# Altium PCB STM32MP25XXAK_2_DDR3L.PcbDoc (part 4 of 6)
Units mm, origin at the board's own origin, x right, y up, seen from the top; angles counter-clockwise.
Board outline 120 x 79.6 mm, 4 copper layers (Top Layer, Signal Layer 1, Signal Layer 2, Bottom Layer), stack 1.614 mm thick; 247 components, 155 nets, 1312 pads, 792 vias.
Unrouted connection lines stored in the file: 6.
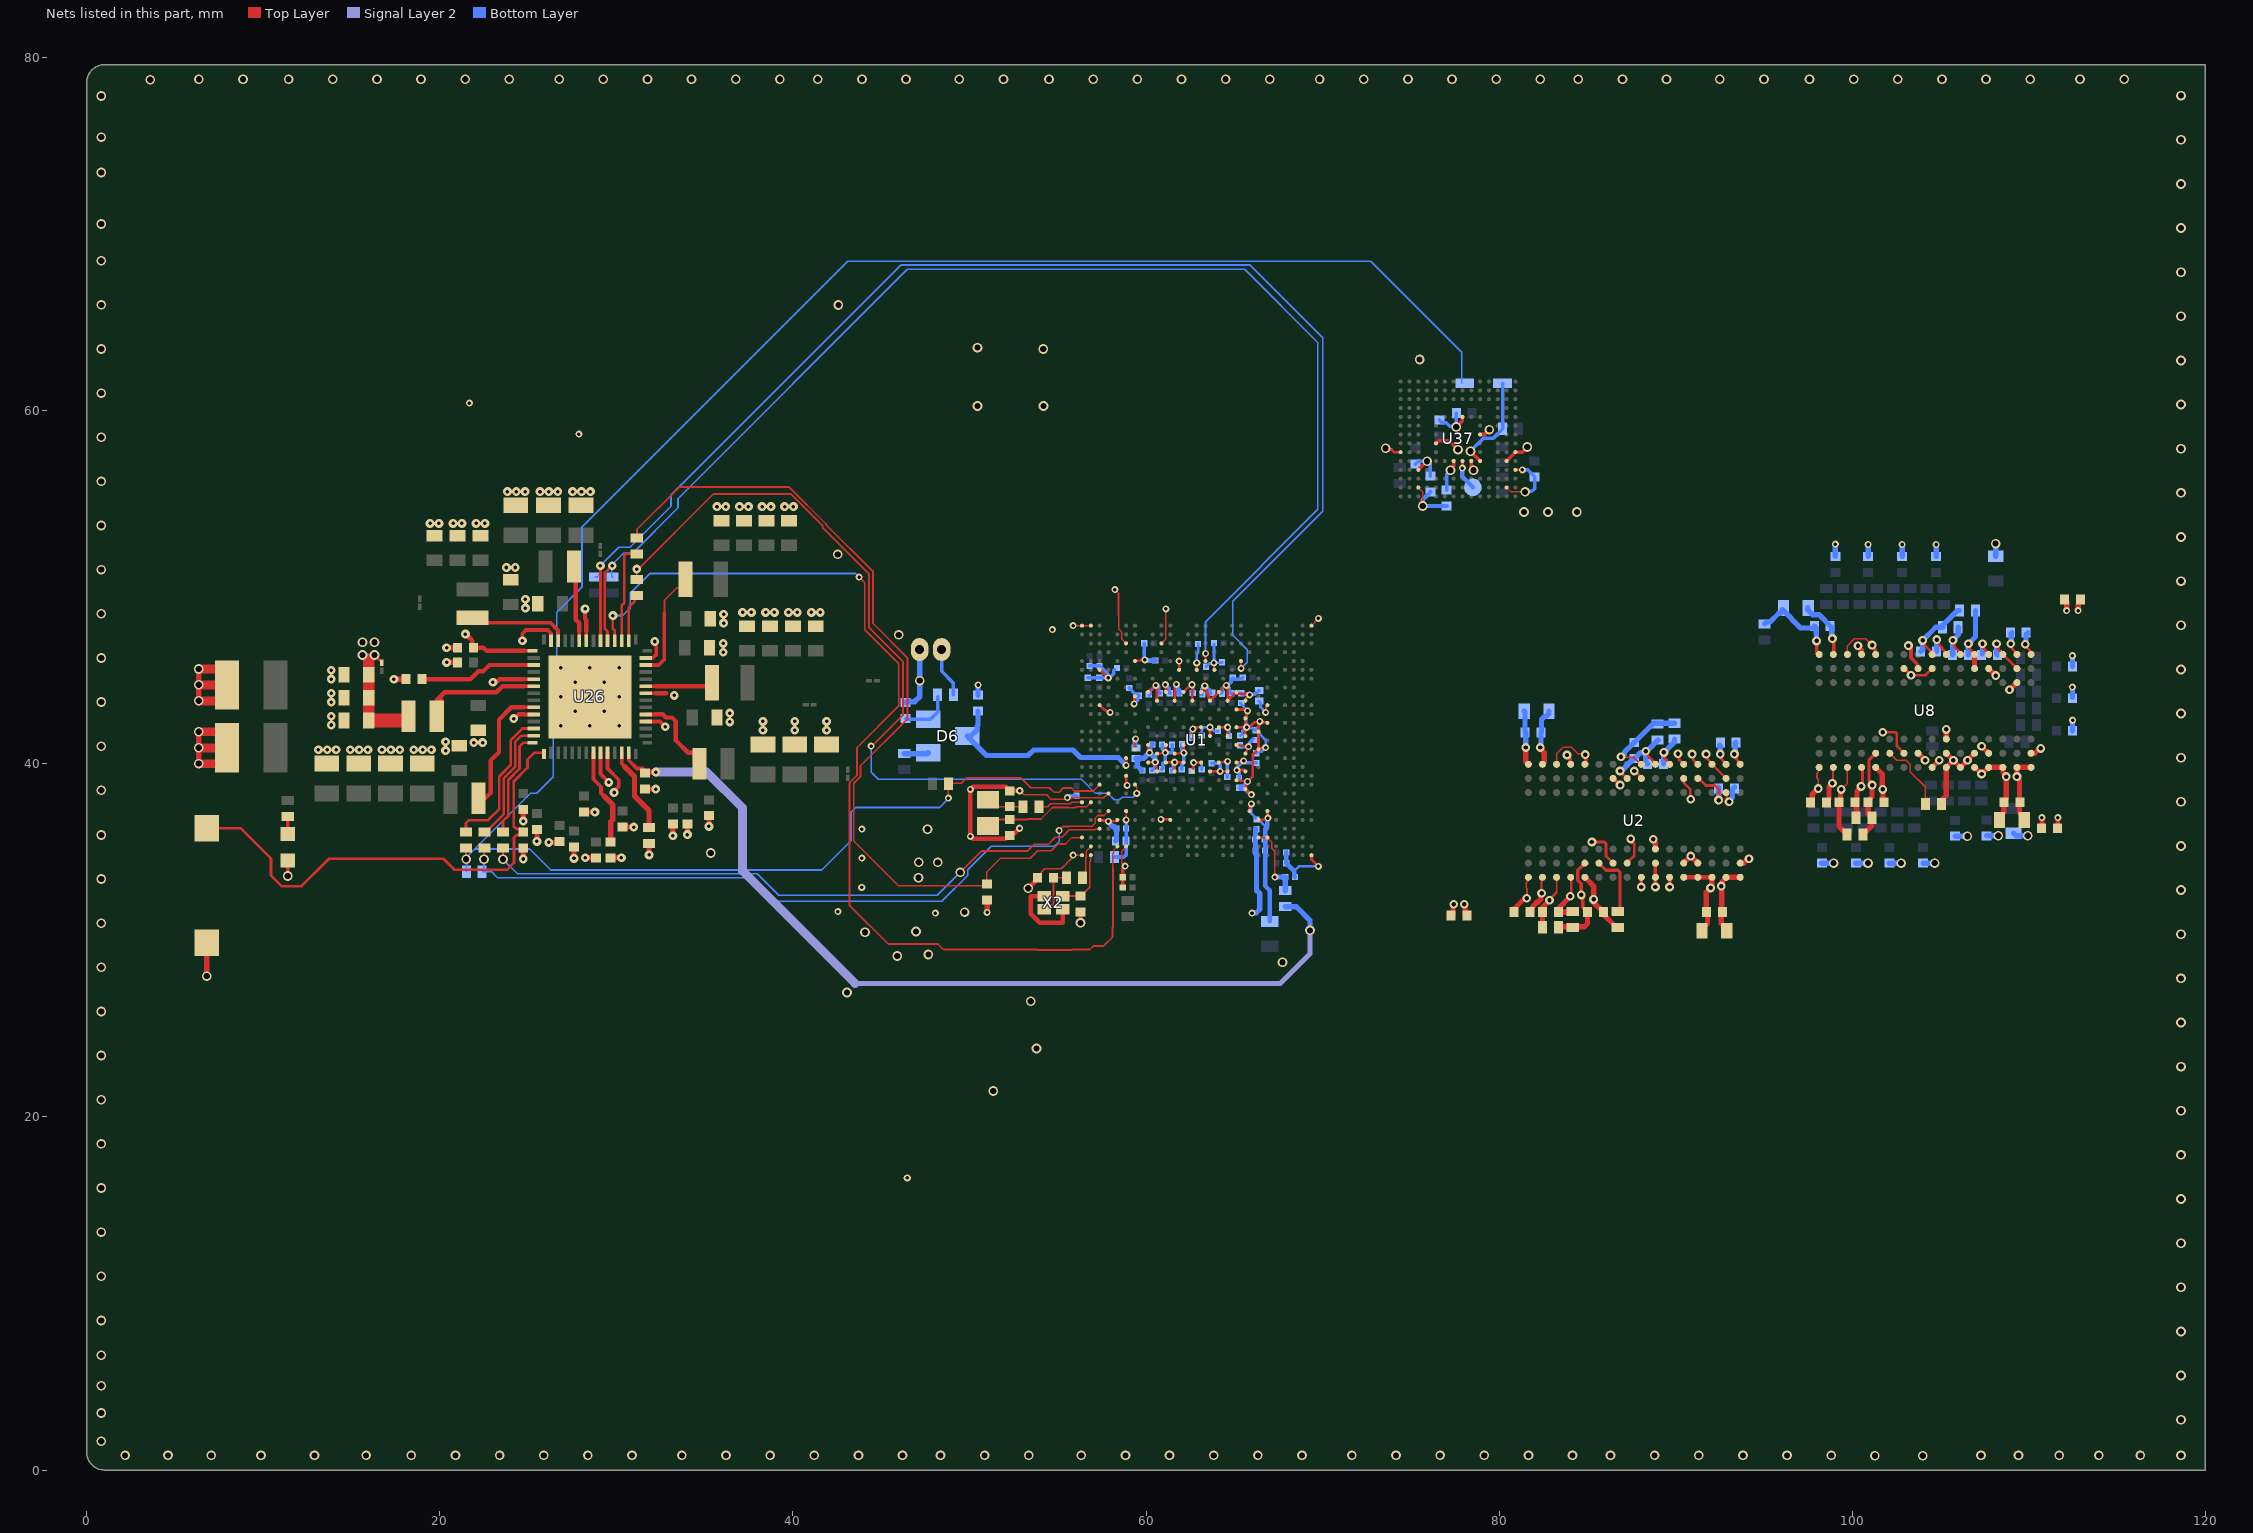
[diagram p6: the nets of this part, all layers, seen from the top]

## Via types
v1: diameter 0.55, hole 0.35, Top Layer to Bottom Layer, 275 vias
v2: diameter 0.4, hole 0.2, Top Layer to Bottom Layer, tented both sides, 246 vias
v3: diameter 0.5, hole 0.2, Top Layer to Bottom Layer, 146 vias
v4: diameter 0.5, hole 0.25, Top Layer to Bottom Layer, 125 vias

## Nets (pads, with @x,y where several pads share a name; then routed paths per layer and width w, separated by ;. In a path a pad name is that pad's centre, name@x,y a point inside that pad or via, vN(x,y) a via of type N, cw(c..) or ccw(c..) an arc to the next point about the centre after c; other vN are vias at no path point) (continued)
GND: B2.1 C9.1 C22.1 C23.1 C24.1 C26.1 C27.1 C28.1 C29.1 C30.1 C32.1 C33.1 C34.1 C35.1 C36.1 C37.1 C38.1 C39.1 C40.1 C41.1 C42.2 C43.1 C44.2 C45.1 C46.1 C47.2 C48.1 C49.1 C50.1 C51.1 C52.1 C53.1 C54.1 C55.1 C56.1 C57.1 C58.1 C59.1 C60.1 C61.1 C62.2 C63.1 C64.1 C65.2 C66.1 C67.1 C68.1 C69.1 C70.2 C71.1 C72.1 C73.2 C74.1 C75.1 C76.1 C77.2 C81.2 C82.1 C83.1 C86.2 C87.1 C88.1 C90.1 C91.2 C92.2 C100.1 C101.1 C102.1 C103.1 C104.1 C105.1 C106.1 C107.1 C108.1 C109.1 C110.1 C111.1 C112.1 C113.1 C114.1 C115.1 C116.1 C117.1 C118.1 C119.1 C120.1 C121.1 C122.1 C123.1 C124.1 C125.1 C126.1 C127.1 C128.1 C129.1 C130.1 C131.1 C132.1 C133.1 C134.1 C135.1 C136.1 C137.1 C138.1 C139.1 C140.1 C146.1 C147.2 C148.1 C151.1 C167.1 C177.1 C183.1 C184.1 C185.1 C186.1 C187.1 C188.1 C189.1 C190.2 C192.1 C193.1 C194.1 C195.1 C196.1 C197.1 C198.1 C199.1 C200.1 C201.1 C202.1 C203.1 C204.1 C205.1 C206.1 C207.1 C208.2 C209.1 C213.1 C214.2 C215.2 C216.1 C217.2 C219.1 C220.1 C225.1 C234.1 C235.1 C236.1 C237.1 C238.1 C239.1 C240.1 C244.1 C246.1 C248.1 C250.1 C251.1 C252.1 C253.1 C260.1 CN12.2 LD11.2 R1.1 R57.1 R142.1 R144.1 R145.1 R147.1 R149.1 R150.1 R156.1 U1.1A1 U1.1A3 U1.1A5 U1.1A7 U1.1A9 U1.1A11 U1.1B2 U1.1B4 U1.1B6 U1.1B8 U1.1B10 U1.1B12 U1.1E7 U1.1E9 U1.1F6 U1.1F8 U1.1F10 U1.1G1 U1.1G3 U1.1G5 U1.1G11 U1.1H2 U1.1H4 U1.1H12 U1.1J1 U1.1J3 U1.1J5 U1.1J7 U1.1J9 U1.1J11 U1.1K2 U1.1K4 U1.1K6 U1.1K8 U1.1K10 U1.1K12 U1.A1 U1.A2 U1.A27 U1.AC3 U1.AC5 U1.AC11 U1.AF6 U1.AG1 U1.AG27 U1.C6 U1.C10 U1.E7 U1.F3 U1.F12 U1.F14 U1.F16 U1.J7 U1.K3 U1.V6 U1.Y4 U2.A9 U2.B1 U2.B3 U2.B9 U2.D1 U2.D8 U2.E1 U2.E2 U2.E8 U2.F9 U2.G1 U2.G8 U2.G9 U2.J2 U2.J8 U2.M1 U2.M9 U2.P1 U2.P9 U2.T1 U2.T9 U8.A9 U8.B1 U8.B3 U8.B9 U8.D1 U8.D8 U8.E1 U8.E2 U8.E8 U8.F9 U8.G1 U8.G8 U8.G9 U8.J2 U8.J8 U8.M1 U8.M9 U8.P1 U8.P9 U8.T1 U8.T9 U26.9 U26.10 U26.18 U26.22 U26.27 U26.36 U26.41 U26.47 U26.52 U26.57 U37.A6 U37.C4 U37.E7 U37.G5 U37.H10 U37.J5 U37.K8 U37.N2 U37.N5 U37.P4 U37.P6 X2.2 X2.4 | length 255.9
  Top Layer w0.09: v2(55.55,38.085) 55.565,38.07 56.266,38.07 56.271,38.075 57.612,38.075 57.862,38.325 U1.Y4@57.875,38.325 ; U1.A1@56.375,47.825 U1.A2@56.875,47.825 ; 58.445,48.418 58.445,47.647 58.625,47.467 58.625,47.075 U1.C6@58.875,46.825 ; v2(58.816,34.213) 58.625,34.404 58.625,35.05 58.875,35.3 U1.AF6@58.875,35.325 ; U1.C10@60.875,46.825 61.125,47.075 v2(61.125,48.775) ; U37.N2@80.425,55.655 80.675,55.405 v1(81.475,55.405) ; 83.25,32.77 82.858,32.377 v4(82.858,32.275) 83.257,32.675 U2.P9@83.257,33.575 ; U2.P1@83.257,39.975 83.257,40.574 83.633,40.95 84.095,40.95 84.472,40.572 84.835,40.572 v4(84.883,40.525) ; U2.B9@92.857,33.575 U2.B9@92.861,33.575 ; v4@99.435,38.602 99.732,38.899 U8.P9@99.732,39.8 ; U8.P1@99.732,46.2 99.732,46.692 100.124,47.084 100.769,47.084 v4(101.13,46.724) ; R150.1@105.032,37.75 R150.1@105.242,37.96 ; U8.B9@109.333,39.802 U8.B9@109.332,39.8
  Top Layer w0.1: v2(52.85,38.475) 52.882,38.475 53.114,38.244 54.372,38.244 54.622,37.994 55.458,37.994 v2(55.55,38.085) ; v1@53.243,33.041 v1(53.329,32.955) ; C92.2@53.859,33.546 53.859,33.648 54.264,34.053 55.189,34.053 55.279,34.144 55.291,34.144 55.496,34.349 55.496,34.361 55.77,34.635 55.77,34.639 55.875,34.744 v2(55.875,34.825) U1.AG1@56.375,34.825 ; v2(55.875,47.825) U1.A1@56.375,47.825 ; v2(58.24,49.865) 58.445,49.66 58.445,48.418 ; U1.A27@69.375,47.825 69.762,48.213 v2(69.762,48.238) ; v4(81.566,32.386) 81.529,32.422 81.582,32.474 81.582,32.909 81.54,32.95 81.54,33.248 81.609,33.317 81.609,33.527 U2.T9@81.657,33.575 ; C111.1@97.658,37.902 C111.1@97.731,37.975 ; v4(98.082,38.6) 98.082,39.109 98.011,39.18 98.011,39.469 98.082,39.54 98.082,39.75 U8.T9@98.132,39.8
  Top Layer w0.15: U1.AC3@57.375,36.825 57.41,36.79 57.795,36.79 57.845,36.74 v2(57.872,36.74) 58.29,36.74 U1.AC5@58.375,36.825 ; U1.K3@57.375,43.325 57.643,43.057 v2(57.966,42.92) ; U1.F3@57.375,45.325 v2(57.862,44.875) ; U1.V6@58.875,39.325 58.875,38.893 58.925,38.843 v2(58.925,38.775) ; v2@59.325,43.275 59.35,43.3 59.35,43.613 ; v2(59.325,43.4) 59.35,43.613 ; U1.E7@59.375,45.825 v2(59.931,45.892) ; U1.J7@59.388,43.812 U1.J7@59.375,43.825 ; U1.1J1@60.125,40.075 v2(60.525,40.1) U1.1K2@60.625,39.575 ; U1.1G1@60.125,41.075 60.125,40.778 60.198,40.705 v2(60.198,40.638) ; U1.1A1@60.125,44.075 60.442,44.392 60.481,44.392 60.531,44.442 v2@60.555,44.442 ; v2(60.558,44.442) v2@60.555,44.442 ; U1.1H2@60.625,40.575 v2(61.092,40.638) U1.1G3@61.125,41.075 ; U1.1B2@60.625,43.575 60.625,44.371 v2@60.555,44.442 ; v2(60.841,36.854) 61.289,36.854 61.303,36.84 61.36,36.84 U1.AC11@61.375,36.825 ; U1.1J3@61.125,40.075 v2(61.625,40.089) ; U1.1A3@61.125,44.075 61.132,44.082 v2@61.132,44.466 ; U1.1K4@61.625,39.575 v2(61.625,40.089) ; U1.1H4@61.625,40.575 v2(62.15,40.625) U1.1G5@62.125,41.075 ; U1.1B4@61.625,43.575 61.625,44.405 v2(61.725,44.505) ; U1.F12@61.875,45.325 v2(61.875,45.825) ; U1.1J5@62.125,40.075 v2(61.625,40.089) ; U1.1A5@62.125,44.075 62.496,44.446 62.571,44.446 62.625,44.5 U1.1B6@62.625,43.575 ; U1.1K6@62.625,39.575 v2(62.7,40.075) U1.1J7@63.125,40.075 ; U1.1F6@62.625,41.575 62.625,41.95 v2(62.65,41.975) ; v2@62.657,41.975 62.718,41.975 62.818,42.075 U1.1E7@63.125,42.075 ; U1.F14@62.875,45.325 v2(62.875,45.725) ; U1.1A7@63.125,44.075 v2(63.328,44.412) U1.1B8@63.625,43.575 U1.1A9@64.125,44.075 64.448,44.398 64.538,44.398 64.586,44.446 64.625,44.407 U1.1B10@64.625,43.575 U1.1A11@65.125,44.075 65.147,44.075 65.25,43.972 65.818,43.972 65.865,43.925 65.865,43.894 65.64,43.669 65.64,43.59 U1.1B12@65.625,43.575 ; U1.1K8@63.625,39.575 v2(64.198,39.575) U1.1K10@64.625,39.575 ; U1.1F8@63.625,41.575 v2(63.625,42.075) ; v2@63.853,45.725 U1.F16@63.875,45.325 ; U1.1E9@64.125,42.075 v2(64.625,42.075) U1.1F10@64.625,41.575 ; U1.1G11@65.125,41.075 v2(65.806,40.972) U1.1H12@65.625,40.575 ; U1.AG27@69.375,34.825 69.375,34.59 v2(69.768,34.197) ; v1(73.575,57.875) 73.646,57.804 73.911,57.804 74.056,57.66 74.42,57.66 U37.A6@74.425,57.655 ; v4@77.982,32 78.002,31.98 78.002,31.58 78.077,31.505 C146.1@78.183,31.4 ; U37.P4@80.925,56.655 v2(81.325,56.655) ; v4@86.857,39.625 v4(86.857,39.595) 86.857,39.577 U2.J2@87.258,39.177 ; U2.J8@87.258,34.377 87.653,34.772 87.653,35.46 87.457,35.655 v4(87.457,35.75) ; v4(88.307,40.715) 88.374,40.648 88.374,40.553 88.387,40.54 88.387,40.506 88.757,40.136 88.757,40.129 88.858,40.028 U2.G1@88.858,39.977 ; v4@90.132,40.55 90.194,40.488 90.194,40.24 U2.E1@90.458,39.977 ; U2.E2@90.458,39.177 90.469,39.165 90.469,38.923 90.833,38.559 90.833,38.049 v4@90.857,38.025 ; v4(90.932,40.55) 90.994,40.488 90.994,40.24 U2.D1@91.258,39.977 ; v4(92.532,40.55) 92.599,40.483 92.599,40.273 92.673,40.199 92.673,40.188 92.857,40.003 U2.B1@92.857,39.975 ; U2.B3@92.858,38.377 92.895,38.339 92.895,38.011 v4@93.032,37.875 ; v4(104.792,47.037) 104.964,46.714 105.089,46.58 105.089,46.511 105.133,46.467 105.308,46.292 U8.G1@105.308,46.202 ; v4@106.582,46.775 106.649,46.708 106.649,46.546 106.932,46.263 U8.E1@106.932,46.2 ; v4@107.382,46.775 107.449,46.708 107.449,46.549 107.732,46.266 U8.D1@107.732,46.2 ; v4@108.982,46.775 109.049,46.708 109.049,46.546 109.332,46.263 U8.B1@109.332,46.2 ; 59.35,43.613 59.35,43.825 U1.J7@59.375,43.825 ; 59.35,43.613 U1.J7@59.375,43.825
  Top Layer w0.16: U1.1J9@64.125,40.075 v2(64.625,40.143) ; U1.1J11@65.125,40.075 65.435,40.075 v2(65.53,40.17) ; v2(65.15,39.65) 65.55,39.65 U1.1K12@65.625,39.575
  Top Layer w0.2: v1@11.386,33.645 LD11.2@11.386,34.522 ; U26.27@31.67,46 32.079,46 32.27,46.191 32.27,46.91 v3@32.316,46.956 ; v3(32.17,46.93) v3@32.227,46.873 ; C248.1@58.683,33.002 C250.1@58.683,33.572 58.683,34.08 v2(58.816,34.213) ; U37.C4@75.425,56.655 75.875,57.105 75.885,57.105 v1(75.925,57.145) ; U37.E7@76.425,58.155 76.575,58.305 77.17,58.305 v1(77.675,57.8) ; v1(77.25,56.63) 77.25,56.718 77.425,56.893 U37.G5@77.425,57.155 ; v1(77.575,59.08) 77.925,59.43 U37.H10@77.925,59.655 ; U37.J5@78.425,57.155 78.425,56.85 78.55,56.725 v1(78.55,56.63) ; U37.K8@78.925,58.655 79.175,58.655 v1(79.45,58.93) ; U37.N5@80.425,57.155 U37.P6@80.925,57.655 81.305,57.655 v1(81.6,57.95) ; U2.M1@84.858,39.977 84.896,40.015 84.896,40.322 84.958,40.384 84.958,40.449 v4@84.883,40.524 ; v4@88.857,33.05 U2.G9@88.857,33.574 ; U2.G9@88.857,33.575 U2.G8@88.858,34.389 ; v4@89.658,33.102 U2.F9@89.658,33.577 ; v4(97.982,46.962) 97.982,46.35 U8.T1@98.132,46.2 ; U8.T1@98.12,46.262 U8.T1@98.134,46.203 ; v4(101.13,46.724) 101.13,46.642 101.303,46.469 101.303,46.231 U8.M1@101.333,46.202 ; v4(103.182,46.7) 103.332,46.55 103.332,46.006 103.693,45.645 103.693,45.438 U8.J2@103.732,45.4
  Top Layer w0.21: v3(24.675,46.975) 24.675,47.375 24.88,47.58 26.109,47.58 26.3,47.389 U26.41@26.3,46.97 ; 24.775,42.8 U26.52@25.33,42.8 ; 24.775,44.8 U26.47@25.33,44.8 ; U26.36@28.3,46.97 28.3,47.525 ; U26.9@29.1,40.63 29.1,39.42 v3(29.568,38.952) ; U26.10@29.5,40.63 29.5,39.734 30.135,39.099 30.135,38.72 29.87,38.456 v3(29.87,38.377) ; U26.18@31.67,42.4 32.472,42.4 v3(32.772,42.1) ; U26.22@31.67,44 32.225,44
  Top Layer w0.25: v3(23.008,44.625) 23.056,44.673 23.257,44.673 23.384,44.8 24.775,44.8 ; v3(24.187,42.563) 24.221,42.563 24.459,42.8 24.775,42.8 ; v3(28.225,48.775) 28.225,48.214 28.3,48.139 28.3,47.525 ; 32.225,44 32.83,44 ; v3@32.757,42.1 v3(32.772,42.1) ; v2(52.841,36.352) 52.569,36.08 52.415,36.08 C86.2@52.285,35.95 52.26,35.95 52.061,35.75 50.196,35.75 v2(50.05,35.897) v2(50.05,38.554) 50.196,38.7 52.06,38.7 C81.2@52.285,38.475 v2(52.85,38.475) ; v1(53.329,32.955) 53.729,33.355 53.729,33.416 C92.2@53.859,33.546 ; X2.2@54.234,32.51 53.467,32.51 53.467,31.513 53.987,30.993 55.284,30.993 X2.4@55.284,31.76 ; v1(56.293,30.993) C90.1@56.293,31.61 ; C167.1@111.633,36.35 111.65,36.368 v2(111.65,36.957)
  Top Layer w0.275: U8.J8@103.732,40.6 v4@104.107,40.225 ; U8.G9@105.333,39.802 v4(105.732,40.2) ; U8.G8@105.333,40.602 U8.G8@105.332,40.6 v4(105.732,40.2) v4(105.732,40.2) U8.F9@106.133,39.802 ; U8.F9@106.133,39.815 106.14,39.815 106.538,40.214 106.538,40.221 U8.E8@106.919,40.602 ; v4@107.307,41 107.319,41 107.73,40.589 U8.D8@107.733,40.589
  Top Layer w0.3: v1@6.347,40.012 v1@6.347,41.812 ; v1@6.347,43.574 v1@6.347,45.374 ; B2.1@6.795,29.854 6.795,27.98 v1(6.8,27.975) ; v3(17.395,44.79) C43.1@18.055,44.79 ; v3(20.385,45.75) C40.1@20.995,45.75 ; v3(20.385,46.575) C39.1@20.995,46.575 ; v3@24.725,36.81 C217.2@24.725,37.42 ; v3@24.727,34.58 C219.1@24.727,35.185 ; v3(25.5,35.61) C216.1@25.5,36.215 ; v3(26.165,35.55) C215.2@26.775,35.55 ; v3@27.6,34.69 C214.2@27.6,35.3 ; C213.1@28.175,37.27 v3(28.785,37.27) ; v3(28.24,34.68) C91.2@28.85,34.68 ; C208.2@29.675,34.68 v3(30.285,34.68) ; C209.1@30.35,36.42 v3(30.985,36.42) ; C61.1@31.625,38.57 v3(32.235,38.57) ; v3(31.85,34.84) R57.1@31.85,35.5 ; v3(33.2,35.93) C189.1@33.2,36.59 ; v3(34.025,35.99) C188.1@34.025,36.59 C188.1@34.025,36.65 ; v3(35.245,36.46) 35.248,36.462 35.248,37.062 C190.2@35.25,37.065 ; v2@50.979,31.565 v2(51,31.586) C33.1@51,32.3 ; v4(78.032,32.048) 78.032,31.994 78.077,31.948 C146.1@78.077,31.505 ; C103.1@80.858,31.6 80.858,31.79 81.453,32.386 v4(81.566,32.386) ; v4(81.507,40.925) 81.507,40.138 81.657,39.988 U2.T1@81.657,39.975 ; R144.1@82.458,30.75 C104.1@82.458,31.6 82.458,31.877 v4(82.858,32.275) v4(82.858,32.275) ; U2.M9@84.858,33.577 U2.M9@84.857,33.575 85.357,33.075 v4(85.357,32.325) ; v4@85.345,32.313 v4(85.357,32.325) ; R145.1@86.73,30.725 86.684,30.771 86.611,30.771 85.907,31.475 C137.1@85.907,31.6 85.357,32.15 v4(85.357,32.325) ; U2.E8@90.457,34.375 v4(90.857,34.775) U2.D8@91.257,34.375 ; C101.1@92.907,30.55 92.907,30.675 92.737,30.845 92.692,30.845 92.582,30.955 92.582,31.675 92.613,31.706 92.613,33.043 92.595,33.062 92.633,33.101 92.633,33.323 92.861,33.552 92.861,33.575 U2.A9@93.657,33.575 ; C111.1@97.731,37.975 97.731,38.273 v4@98.058,38.6 ; C114.1@99.258,37.825 99.258,36.45 R149.1@99.708,36 ; C114.1@99.269,37.913 99.339,37.983 v4@99.339,38.633 ; U8.M9@101.332,39.8 101.333,39.785 101.707,39.411 101.707,38.55 101.744,38.512 C120.1@101.744,38.014 ; C120.1@101.782,37.9 C120.1@101.819,37.862 ; R150.1@105.032,37.825 105.032,37.92 105.332,38.219 U8.G9@105.332,39.8 ; U8.F9@106.133,39.802 U8.F9@106.133,39.815 ; U8.E2@106.932,45.4 U8.E1@106.932,46.178 ; v4(108.91,44.2) 108.931,44.2 U8.B3@109.331,44.6 ; U8.B9@109.333,39.802 U8.B9@109.346,39.802 ; C110.1@109.733,36.877 109.733,37.002 109.73,37.002 109.482,37.25 109.482,39.071 109.332,39.221 v4(109.332,39.275) 109.332,39.8 U8.B9@109.332,39.8 U8.A9@110.132,39.8 ; U8.A9@110.119,39.802 U8.A9@110.133,39.802 ; v2(112.8,48.676) 112.8,48.999 112.82,49.019 112.82,49.2 C177.1@112.925,49.305
  Top Layer w0.5: v1@6.353,40.006 C147.2@7.936,40.006 ; v1@6.353,40.906 C147.2@7.936,40.906 ; v1@6.353,41.818 C147.2@7.936,41.818 ; v1@6.353,43.568 C42.2@7.936,43.568 ; v1@6.353,44.468 C42.2@7.936,44.468 ; v1@6.353,45.38 C42.2@7.936,45.38
  Bottom Layer w0.15: v2(59.931,45.892) v2@59.935,45.896 ; C57.1@62.592,39.603 62.683,39.694 62.683,40.058 v2(62.7,40.075) 63.066,40.075 63.154,39.987 C60.1@63.154,39.672 ; v2(62.875,45.725) 62.875,46.219 62.95,46.294 C195.1@62.95,46.787 ; C52.1@63.162,41.607 63.162,41.944 63.293,42.075 v2(63.625,42.075) 63.844,41.856 C53.1@64.083,41.856 ; C67.1@63.4,45.5 63.586,45.686 63.807,45.686 v2@63.859,45.738 ; v2(63.85,45.725) 64.278,45.725 C69.1@64.305,45.752 ; v2@63.85,45.775 C239.1@63.85,46.787 ; v2(64.625,42.075) 64.706,41.994 C54.1@64.706,41.579 ; 68.39,33.919 68.669,34.197 v2(69.768,34.197) ; C121.1@104.783,46.36 C121.1@104.792,46.369 ; C119.1@107.333,46.17 C119.1@107.382,46.22 ; C122.1@112.475,43.758 112.479,43.754 C122.1@112.483,43.75 ; C125.1@112.475,45.533 112.479,45.529 C125.1@112.483,45.525
  Bottom Layer w0.2: v2(55.55,38.085) 55.663,38.198 C234.1@56.064,38.198 ; C237.1@56.696,44.88 C236.1@57.345,44.88 ; C192.1@56.8,45.55 C201.1@57.375,45.55 57.825,45.1 57.825,44.912 v2(57.862,44.875) 57.862,44.894 57.881,44.914 57.974,44.914 58.163,45.103 58.163,45.282 C197.1@58.216,45.334 ; C236.1@57.35,44.875 v2(57.862,44.875) ; C240.1@59.05,44.3 59.37,43.98 59.484,43.98 59.534,43.93 C220.1@59.534,43.856 ; v2(59.325,43.4) 59.325,43.408 59.534,43.617 59.534,43.781 C220.1@59.609,43.856 C220.1@59.534,43.931 ; v2@59.902,45.948 C205.1@59.902,46.829 ; C45.1@60.173,43.895 60.235,43.957 60.235,44.124 60.248,44.137 60.248,44.139 60.551,44.442 v2(60.558,44.442) ; C71.1@60.34,39.635 60.491,39.786 60.491,40.066 v2(60.525,40.1) ; v2@60.624,44.485 60.726,44.383 60.726,44.075 C51.1@60.813,43.988 ; C72.1@60.905,39.698 60.956,39.749 60.956,40.021 61.092,40.157 v2(61.092,40.638) ; C46.1@60.915,41.105 60.915,40.815 v2(61.092,40.638) ; v2@61.132,44.466 61.132,44.444 61.302,44.274 61.302,44.062 C49.1@61.377,43.987 ; C73.2@61.467,39.624 61.542,39.699 61.542,39.952 61.625,40.035 v2(61.625,40.089) ; C47.2@61.476,41.081 61.476,40.694 61.42,40.638 v2(61.092,40.638) ; C74.1@62.03,39.683 62.03,39.955 62.15,40.075 v2(62.15,40.625) 62.038,40.737 C48.1@62.038,41.107 ; C63.1@62.581,44.08 62.636,44.08 62.636,44.483 v2@62.625,44.494 ; C62.2@63.156,43.924 63.156,44.24 v2(63.328,44.412) 63.366,44.374 63.421,44.374 63.6,44.195 63.6,44.059 C65.2@63.675,43.984 ; C59.1@63.714,40.036 64.111,40.036 64.198,39.949 v2(64.198,39.575) ; C68.1@64.239,43.997 64.314,44.072 64.314,44.284 64.437,44.408 64.548,44.408 v2@64.586,44.446 ; C58.1@64.607,39.247 64.607,40.125 v2(64.625,40.143) ; C66.1@64.915,44.871 C66.1@64.84,44.796 ; C76.1@65.274,39.198 65.274,39.526 v2(65.15,39.65) 65.169,39.669 65.169,39.809 v2(65.53,40.17) 65.557,40.17 65.677,40.05 C77.2@66.25,40.05 ; C82.1@65.352,41.053 65.433,40.972 v2(65.806,40.972) 65.844,41.01 65.844,41.178 C75.1@66.083,41.417 ; C238.1@65.483,44.894 65.385,44.796 C66.1@64.84,44.796 ; R1.1@66.4,44.15 66.275,44.025 66.225,44.025 66.146,43.946 65.886,43.946 65.865,43.925 65.851,43.939 65.436,43.939 65.375,44 C64.1@64.85,44 64.804,44 64.8,43.996 64.725,44.071 64.725,44.307 v2@64.586,44.446 ; C118.1@75.26,56.98 75.425,57.145 v1(75.925,57.145) 76.11,56.96 C148.1@76.11,56.305 ; C9.1@76.615,59.48 76.77,59.325 77.008,59.325 77.208,59.126 77.529,59.126 v1(77.575,59.08) C117.1@77.575,59.864 ; C130.1@77.027,55.505 77.027,56.407 v1(77.25,56.63) ; v2(81.325,56.655) 81.615,56.655 C128.1@82.015,56.255 82.015,55.592 81.858,55.435 81.505,55.435 v1(81.475,55.405) ; v2@64.586,44.446 64.623,44.446 64.84,44.663 C66.1@64.84,44.796
  Bottom Layer w0.25: C253.1@67.941,34.367 68.39,33.919 68.39,33.638 C251.1@68.44,33.588 ; C253.1@67.941,34.385 C246.1@67.941,34.986
  Bottom Layer w0.3: C88.1@46.382,43.465 46.439,43.522 46.897,43.522 47.189,43.814 CN12.2@47.189,46.897 ; C87.1@50.485,43.888 v2(50.485,44.466) ; v2(57.872,36.74) 57.891,36.721 57.891,36.682 58.133,36.44 58.216,36.44 C244.1@58.325,36.331 58.325,35.675 C235.1@58.275,35.625 ; C70.2@59.775,39.625 59.506,39.894 59.506,40.25 59.456,40.3 C225.1@59.425,40.3 59.451,40.326 59.886,40.326 v2(60.198,40.638) ; v2@59.902,45.948 59.931,45.919 v2(59.931,45.892) 59.958,45.892 60,45.85 C196.1@60.525,45.85 ; C44.2@60.351,41.105 60.217,40.971 60.217,40.657 v2(60.198,40.638) ; v2(60.525,40.1) 60.506,40.119 60.506,40.33 v2(60.198,40.638) ; v2(61.725,44.505) 61.725,44.478 61.75,44.453 61.75,44.284 61.875,44.159 61.875,44.025 C50.1@61.9,44 ; C55.1@62.6,41.475 62.604,41.479 62.604,41.901 62.65,41.948 v2(62.65,41.975) ; v2@65.984,31.527 v2(66.003,31.546) 66.023,31.565 66.243,31.565 66.449,31.771 66.449,32.645 66.258,32.836 66.258,34.855 66.2,34.914 C252.1@66.2,36.324 ; v1(75.5,62.9) v1@75.51,62.91 ; C100.1@81.432,42.973 81.469,42.935 81.469,41.835 81.507,41.798 v4@81.507,40.923 ; v4@86.857,39.623 86.895,39.661 86.988,39.661 87.449,40.123 87.457,40.123 87.632,40.298 87.682,40.298 88.018,40.634 88.268,40.634 v4@88.307,40.673 ; C102.1@88.408,40.002 88.307,40.103 v4(88.307,40.715) 88.307,40.725 88.382,40.725 R142.1@89.008,41.35 ; C107.1@92.507,41.05 92.526,41.031 92.526,40.642 92.532,40.637 v4(92.532,40.55) ; v4(93.032,37.85) 93.032,37.902 93.227,38.097 93.227,38.568 C105.1@93.332,38.673 ; R156.1@95.033,47.925 95.138,48.03 95.34,48.03 95.84,48.53 95.938,48.53 96.046,48.638 96.046,48.736 97.082,47.7 97.758,47.7 97.856,47.798 97.943,47.711 97.963,47.67 v4(97.982,46.962) ; C126.1@98.283,34.375 v1(98.95,34.375) ; v2(99.05,52.45) 99.05,51.758 C132.1@99.058,51.75 ; C127.1@100.208,34.375 v1(100.9,34.375) ; v2(100.9,52.425) 100.908,52.417 C133.1@100.908,51.75 ; C139.1@102.108,34.375 v1(102.775,34.375) ; C131.1@102.833,51.75 v2(102.833,52.425) ; C140.1@104.008,34.375 v1(104.675,34.375) ; C129.1@104.758,51.75 v2(104.758,52.425) ; C121.1@104.792,46.369 v4(104.792,47.037) ; C135.1@105.833,35.9 v1(106.525,35.9) ; C113.1@106.583,46.17 v4(106.582,46.8) 106.982,47.2 R147.1@106.982,48.685 ; C119.1@107.382,46.22 v4(107.382,46.8) ; C134.1@107.608,35.925 v1(108.275,35.925) ; v1(108.125,52.475) 108.129,52.471 108.129,51.761 C123.1@108.132,51.758 ; v4@108.981,46.773 109.019,46.81 109.019,47.385 C112.1@109.056,47.423 ; C124.1@109.133,36.075 109.283,35.925 v1(109.95,35.925) ; v2(112.475,44.35) 112.479,44.346 C122.1@112.479,43.754 ; v2(112.475,46.125) 112.479,46.121 C125.1@112.479,45.529 ; C136.1@112.483,41.875 v2(112.483,42.47)